# KiCad board geeks-ecu.kicad_pcb (continued)
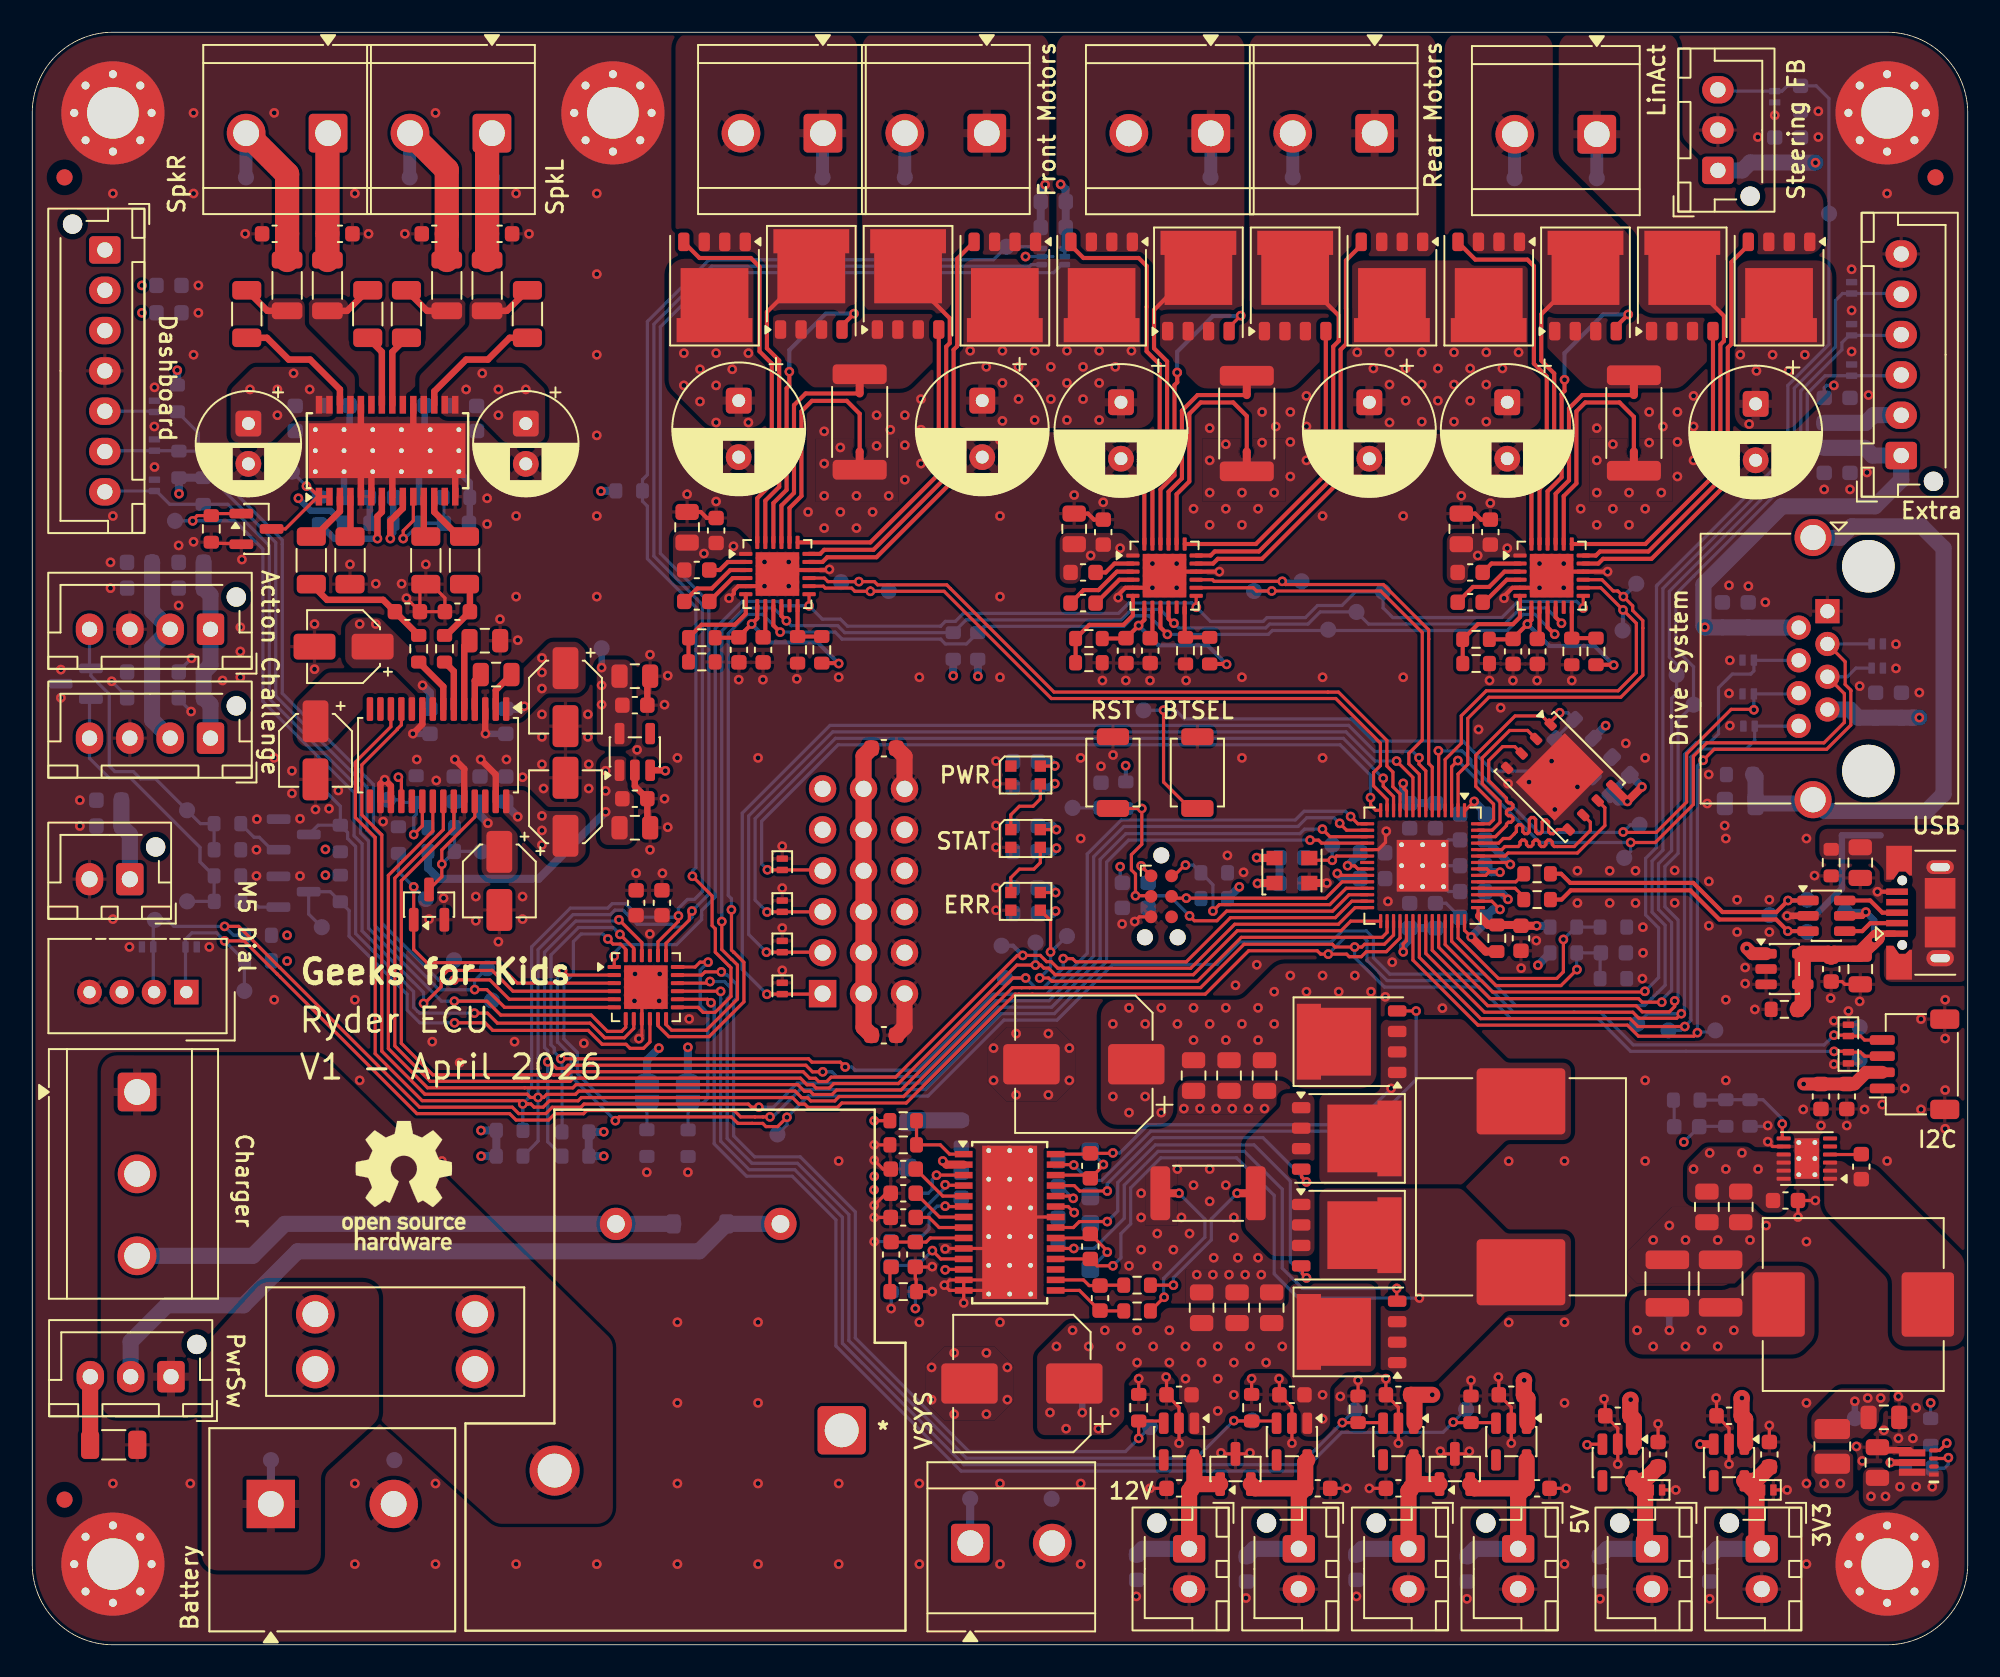
[diagram p0: board, top side]
## Routing (per net, layer and track width the routed paths; a pad name or vN(x,y) marks a point on that pad's centre or on a via; arc(x,y) is an arc through that point) (continued)
  vias: v1(35.55,54.2) v1(35.55,52.95) v1(99.5,19.5) v1(100.5,18.5) v1(102.5,18.5) v1(103.5,19.5) v1(104.5,18.5) v1(105.5,19.5) v1(114,9.2) v1(114.9,9.2) v1(115.8,9.8) v1(116.8,9.8) v1(117.8,9.8)
+12V: length 29.6
  Top w0.2: v1(56.6,23.25) 56.62,23.28 57.75,23.28
  Top w1: v1(86.8,15.5) C221.2 85.7,15.27 85.7,13.74 ; 92.7,13.74 92.7,15.27 92.48,15.5 92.48,16.38 v1(92.5,16.4)
  Bottom w0.2: R211.1 v1(54.75,20.85)
  Bottom w0.4: R909.1 18.5,70.33 17.27,70.33 v1(16.5,71.1) ; TP201.1 v1(65.1,14.4)
  Bottom w1: J501.1 11.05,58.31 C501.2 C506.1 11.05,60.75 J502.1 11.05,65.1 C503.2 C508.1 ; J504.1 6.05,50.25 C510.1 C505.2
  vias: v1(13.5,77.85) v1(15.2,77.85) v1(15.2,76.25) v1(16.2,78.85) v1(17.2,77.85) v1(26.9,77.85) v1(27.9,78.85) v1(28.9,77.85) v1(28.9,76.25) v1(30.6,77.85) v1(63.1,14.4) v1(63.5,18.5) v1(64.1,13.4) v1(64.5,19.5) v1(65.5,18.5) v1(66.1,13.4) v1(66.5,19.5) v1(67.1,14.4) v1(67.5,18.5) v1(68.5,19.5) v1(68.5,17.5) v1(69.5,18.5) v1(70.5,19.5) v1(70.5,17.5) v1(71.5,18.5) v1(71.5,16.5) v1(72.5,17.5) v1(73.5,18.5) v1(73.5,16.5) v1(73.5,14.5) v1(74.5,17.5) v1(74.5,15.5) v1(75.5,18.5) v1(76.5,17.5) v1(77.5,18.5) v1(80,15.5) v1(80,14)
+12VA: length 9.5
  Top w0.4: U903.7 21.68,70.25 21.4,69.97 v1(21.4,68.6)
  Bottom w0.4: R908.1 18.72,68.6 v1(21.4,68.6) 21.4,69.08 R909.2 20.93,71.1 C924.2
/12V Buck-Boost Converter/VIN: length 1.4
  Top w0.5: v1(56.45,30) 56.68,29.78 57.75,29.78
/12V Buck-Boost Converter/VINSNS: length 3.7
  Top w0.2: U201.3 56.12,29.12 56.12,29.12 v1(56.06,29.12)
  Bottom w0.2: R208.2 55.55,28 55.8,28.25 55.8,28.86 v1(56.06,29.12)
/DC Motor Controller - Front Wheels/AVDD: length 11.4
  Top w0.258: U601.7 44.94,64.44 44.95,64.42 44.95,63.65 v1(44.6,63.3) 44.15,62.85 44.15,62.81 C601.2 43.79,62.45 R601.1 ; R603.1 49.97,60.88 v1(50,60.85)
  Bottom w0.258: v1(50,60.85) 48.69,62.16 45.74,62.16 v1(44.6,63.3)
/DC Motor Controller - Front Wheels/DVDD: length 2
  Top w0.258: C602.2 45.45,62.61 U601.8
/DC Motor Controller - Rear Wheels/AVDD: length 11.4
  Top w0.258: v1(74.05,60.8) 74.03,60.83 R703.1 ; v1(68.59,63.21) 68.95,63.56 U701.7 ; 68.59,63.21 67.79,62.4 R701.1
  Bottom w0.258: v1(74.05,60.8) 72.87,61.98 69.82,61.98 v1(68.59,63.21)
/DC Motor Controller - Rear Wheels/DVDD: length 1.7
  Top w0.258: 69.45,64.09 69.45,62.56 69.31,62.42
/DC Motor Controller - Steering/AVDD: length 11.4
  Top w0.258: U801.7 92.95,63.55 v1(92.7,63.3) 91.81,62.41 C801.2 91.79,62.35 R801.1 ; 96.95,60.78 98.02,60.78 v1(98.05,60.75)
  Bottom w0.258: v1(98.05,60.75) 96.86,61.94 94.06,61.94 v1(92.7,63.3)
/DC Motor Controller - Steering/DVDD: length 2
  Top w0.258: C802.2 93.45,62.51 U801.8
GND: length 202.7
  Top w0.2: v1(98.3,11.2) U303.2 98.3,13.43 97.52,14.2 97.52,15.18 v1(97.45,15.25) ; 59.81,53.39 v1(59.8,53.4) ; 118.57,37.62 v1(118.6,37.6) ; U201.29 59.3,24.57 U201.10 56.62,24.57 v1(56.6,24.55) ; v1(83.95,50.45) 83.95,50.2 83.9,50.15 83.9,49.76 83.45,49.31 U404.19 ; C916.1 24.03,65.41 C922.2 24.72,65.78 25.59,64.92 C915.2 C916.1 ; C916.1 24.03,64.07 v1(23.2,64.9) ; C226.1 v1(81.5,9.7) ; U201.14 56.88,21.97 v1(56.55,22.3) 56.88,22.62 U201.13 ; U201.14 59.07,21.97 U201.29 59.3,22.62 U201.13 ; U201.14 U201.13 ; U201.14 v1(57.75,21.2) ; J402.5 68.64,45.14 v1(68.35,44.85) ; D302.1 v1(108.8,9.6) ; v1(55.8,21.9) R203.2 54.8,21.93 54.8,22.65 54.75,22.7 C203.2 55.78,23.43 v1(55.8,23.45) ; C223.1 70.32,16.57 v1(70.3,16.6) ; C223.1 70.3,15.53 ; C223.1 71.1,14.72 U205.2 v1(71.1,12.5) ; D301.1 v1(101.9,9.6) ; v1(83.93,16.5) C221.1 84.7,14.72 U203.2 v1(84.7,12.5) ; 20.38,74.78 U903.29 ; C225.1 v1(82.9,9.7) ; C201.2 v1(52.2,26.5) ; v1(89.1,12) 88.94,11.84 D204.3 87.46,11.84 v1(87.3,12) ; R214.2 v1(82.2,16.4) ; v1(110.55,27.55) C304.2 v1(109.47,26.53) ; U405.25 37.79,40.53 U405.9 37.79,37.77 v1(37.61,37.59) 37.79,37.59 37.79,37.59 ; C313.1 v1(107.7,13.6) ; C312.1 v1(100.8,13.7) ; U201.22 61.9,26.53 U201.29 ; v1(91.7,12.5) U202.2 91.7,14.72 C220.1 90.93,16.57 v1(90.9,16.6) ; v1(107.6,31.2) 107.9,30.9 U301.8 ; v1(78.1,12.5) U204.2 78.1,14.72 C222.1 77.32,16.47 v1(77.3,16.5) ; C224.1 v1(95.1,9.7) ; R213.2 v1(89.2,16.4) ; 23.62,74.78 U903.29 ; C410.2 112.2,41.13 112.38,40.96 C409.1 ; v1(52.2,27.25) 52.95,28 C209.2 ; R216.2 v1(68.6,16.5) ; v1(105.2,11.2) U304.2 105.2,13.43 C310.1 104.43,15.28 v1(104.4,15.3) ; R202.2 v1(52.2,31) ; v1(52.2,30.05) 52.75,29.5 C207.2 ; R215.2 v1(75.6,16.5) ; v1(75.5,11.9) 75.44,11.84 D205.3 73.76,11.84 v1(73.7,11.9) ; Q902.2 12.91,68.3 11.18,68.3 R907.2 ; C227.1 v1(69.3,9.7)
  Top w0.258: C805.2 89.82,69.78 89.45,70.15 C804.1 ; 115.58,46.66 115.54,46.7 v1(114.4,46.7) ; v1(49.42,66.69) 49.39,66.65 U601.16 46.45,66.65 U601.25 45.45,65.65 U601.5 43.77,65.65 43.49,65.38 43.49,65.19 v1(43.2,64.9) ; v1(97.67,66.55) U801.16 94.45,66.55 U801.25 v1(93.45,65.55) U801.5 91.77,65.55 91.25,65.03 v1(91.25,64.9) ; C605.2 41.82,69.88 41.45,70.25 C604.1 ; v1(73.6,66.55) U701.16 70.45,66.55 U701.25 v1(69.45,65.55) U701.5 67.77,65.55 67.33,65.11 v1(67.33,64.94) ; C704.1 65.45,70.15 65.82,69.78 C705.2
  Top w0.4: U302.5 116.39,12.06 114.59,12.06 C303.1 ; U903.5 20.38,73.31 U903.29 ; v1(27.8,54.9) 28.74,53.97 28.74,52.31 ; v1(26.2,54.9) 26.78,54.31 U901.24 ; U903.19 23.62,74.78 ; U901.3 28.09,56.52 v1(28.1,56.5) ; U901.9 24.19,57.08 v1(23.6,56.5) ; v1(108.8,45.2) 108.81,45.21 U402.2 ; U903.29 21.03,72.67 U903.6 ; U903.14 26.22,72.53 U903.29 ; U903.8 22.32,73.48 U903.29 ; C909.2 38.13,59.89 C913.1 ; U901.16 21.59,53.39 v1(21.85,53.65) 22.24,53.27 22.24,52.31 ; C904.1 38.13,50.84 C907.2 37.36,53.24 U902.2 ; U903.24 20.38,74.78
  Top w0.5: v1(80.26,47.24) 79.18,47.24
  Top w1: C518.2 54.08,55.09 J506.18 ; C515.1 54.08,38.31 J506.3
  Bottom w0.2: C502.1 5.88,58.8 v1(4.93,59.75) ; R212.2 v1(53.25,20.85) ; v1(61.58,86.09) 61.58,86.09 U406.2 63.29,86.09 ; C501.1 9.08,58.64 v1(9.85,57.88) ; v1(111.7,78.1) 111.25,78.1 111.1,77.95 C523.1 ; 68.47,3.07 68.45,3.05 v1(68.45,3) ; R304.2 107.55,32.15 v1(107.6,32.2) ; 88.52,46.71 87.8,46.71 U404.57 ; 88.52,45.11 87.65,45.99 C419.2 ; R205.2 v1(52.2,25) ; C506.2 9.08,60.38 v1(9.88,61.17) ; R204.2 v1(52.2,26.5) ; 88.52,48.31 U404.57 ; 88.52,49.91 87.8,49.91 U404.57
  Bottom w0.258: C523.1 111.1,77.5
  Bottom w0.4: C908.2 23.61,56.49 v1(23.6,56.5) ; C939.2 24.32,74.39 U903.29 23.97,73.36 C923.1 ; v1(28.1,56.5) 28.11,56.49 C906.2 ; C924.1 19.32,72.75 U903.29 ; C938.1 27.12,69.6 R911.2 27.12,72.08 U903.29 ; 114.6,50.2 112.2,50.2 112.2,46.9 110.5,45.2 v1(108.8,45.2) ; U903.29 19.68,74.39 C931.2
  Bottom w0.5: v1(62.8,90.55) 62.53,90.28 C434.1 C435.2 ; 22.41,11.39 22.35,11.45
  vias: v1(1.78,60.47) v1(1.78,58.72) v1(2.95,52.38) v1(2.95,50.78) v1(4.85,67.12) v1(4.85,65.53) v1(5,90) v1(5,70) v1(5,45) v1(5,10) v1(6.03,43.28) v1(7.58,77.98) v1(7.57,75.55) v1(7.58,73.04) v1(9.07,68.17) v1(9.07,64.45) v1(9.8,10) v1(10,95) v1(10,90) v1(10,80) v1(10,68.4) v1(10.3,84.3) v1(10.3,82.6) v1(10.97,43.28) v1(11.8,59.8) v1(12.9,63.1) v1(12.9,61.6) v1(12.9,60) v1(13,67.3) v1(13.2,87.5) v1(13.93,51.2) v1(13.9,49.3) v1(13.9,47.68) v1(15,95) v1(15,55) v1(15,40) v1(16.1,54.2) v1(16.1,52.8) v1(16.3,74.15) v1(16.6,51.22) v1(16.6,47.68) v1(17.5,63.3) v1(17.5,60.5) v1(17.56,51.8) v1(18.4,51.85) v1(18.98,52.98) v1(19.7,67) v1(20,90) v1(20,40) v1(20,10) v1(20,5) v1(20.3,35) v1(20.85,87.5) v1(21.3,65.8) v1(21.75,51.05) v1(22.9,65.8) v1(23.1,87.5) v1(23.84,54.9) v1(24.4,67) v1(24.6,45) v1(24.8,37.4) v1(25,95) v1(25,10) v1(25,5) v1(25.05,53.6) v1(25.4,30) v1(25.5,46.3) v1(26.5,36.1) v1(27.5,46.4) v1(27.5,44.9) v1(27.6,74.15) v1(28.2,71.1) v1(28.2,69.5) v1(28.9,43.6) v1(29,63.6) v1(29.4,54.9) v1(29.9,37.4) v1(30,90) v1(30,70) v1(30,65) v1(30,5) v1(30.1,62.3) v1(30.4,53.8) v1(30.4,46.4) v1(30.4,45) v1(30.8,87.5) v1(31.6,57.7) v1(31.6,56.3) v1(31.6,54.6) v1(31.7,53.1) v1(34.2,37.3) v1(34.45,57.7) v1(34.45,56.3) v1(34.5,54.6) v1(34.5,53.1) v1(35,90) v1(35,85) v1(35,80) v1(35,75) v1(35,70) v1(35,65) v1(35,5) v1(37.34,39.93) v1(37.44,47.84) v1(37.37,41.6) v1(37.5,55.5) v1(38.1,29.3) v1(38.3,61.4) v1(38.3,49.3) v1(38.9,41.6) v1(38.87,39.93) v1(39.07,47.84) v1(39.2,58.3) v1(39.2,52.47) v1(39.4,60.1) v1(39.4,50.7) v1(40,75) v1(40,55) v1(40,20) v1(40,15) v1(40,10) v1(40,5) v1(40.6,71.35) v1(40.73,38.81) v1(40.65,29.3) v1(42.4,70.9) v1(43.8,59.85) v1(45,75) v1(45,55) v1(45,20) v1(45,15) v1(45,10) v1(45,5) v1(45.3,59.85) v1(45.4,67.15) v1(45.4,65.65) v1(46.5,49.53) v1(46.5,46.93) v1(46.5,44.45) v1(46.5,41.82) v1(46.9,67.15) v1(46.9,65.65) v1(47.4,59.9) v1(48.1,70.25) v1(49.1,75.25) v1(49.1,73.25) v1(49.1,71.25) v1(49.1,69.25) v1(50,60) v1(50,30) v1(50,10) v1(50,5) v1(50.1,74.25) v1(50.1,70.25) v1(51.1,71.25) v1(51.1,69.25) v1(52.1,70.25) v1(52.35,76.25) v1(52.35,74.35) v1(53.1,71.25) v1(53.2,75.35) v1(54.1,76.25) v1(54.1,74.39) v1(54.1,72.25) v1(55,60) v1(55,20) v1(55,10) v1(55,5) v1(55.1,77.25) v1(55.1,75.35) v1(55.1,73.25) v1(55.76,17.2) v1(55.76,15.2) v1(57.16,18.1) v1(57.16,14.3) v1(59.16,18.1) v1(59.16,14.3) v1(59.6,37) v1(59.6,35) v1(59.75,54.8) v1(59.75,50.8) v1(59.75,49.45) v1(59.75,46.95) v1(59.75,45.55) v1(60,74.7) v1(60,70) v1(60,65) v1(60,60) v1(60,20) v1(60,10) v1(60,5) v1(60.46,17.2) v1(60.46,15.2) v1(61,37.9) v1(61,34.1) v1(63,37.9) v1(63,34.1) v1(64.3,37) v1(64.3,35) v1(64.6,71.3) v1(65,74.7) v1(65,55) v1(65,50) v1(65,10) v1(65,5) v1(66.35,59.8) v1(66.26,54.48) v1(66.4,70.85) v1(67.01,55.18) v1(67.57,44.7) v1(67.8,59.8) v1(68,23.5) v1(68.75,28) v1(68.75,26.5) v1(68.75,24.5) v1(69.3,59.8) v1(69.45,67.05) v1(69.75,25.5) v1(69.75,23.5) v1(70.75,24.5) v1(70.95,67.05) v1(70.95,65.55) v1(71,29.5) v1(71.25,26.5) v1(71.4,33.25) v1(71.54,59.8) v1(71.75,25.5) v1(72,70.45) v1(72,28.5) v1(72.2,22.95) v1(72.4,33.25) v1(73,75.45) v1(73,73.45) v1(73,71.45) v1(73,69.45) v1(73,29.5) v1(73,27.5) v1(73.25,24) v1(73.2,22.95) v1(73.4,33.25) v1(74,74.45) v1(74,70.45) v1(74,28.5) v1(74.1,48.95) v1(74.2,22.95) v1(74.4,33.25) v1(74.5,26.5) v1(74.5,25.25) v1(74.6,40.9) v1(74.75,24) v1(75,71.45) v1(75,69.45) v1(75,60) v1(75,55) v1(75.1,47.9) v1(75.2,22.95) v1(75.25,2.9) v1(75.4,33.25) v1(75.92,42.17) v1(76,70.45) v1(76,24) v1(76.25,76.45) v1(76.25,74.55) v1(76.2,22.95) v1(76.4,33.25) v1(77,71.45) v1(77.1,75.55) v1(78,76.45) v1(78,74.59) v1(78,72.45) v1(79,77.45) v1(79,75.55) v1(79,73.45) v1(80,70) v1(80,60) v1(80,55) v1(81.1,15.4) v1(82.1,3) v1(83.89,40.18) v1(84.05,46.1) v1(84.32,42.33) v1(85,74.7) v1(85,70) v1(85,60) v1(87.43,39.48) v1(88.6,71.25) v1(88.95,2.85) v1(89.67,56.76) v1(90,74.7) v1(90.4,70.8) v1(90.35,59.8) v1(91.04,58.11) v1(91.5,53.4) v1(91.54,29.99) v1(91.54,19.99) v1(91.8,59.8) v1(92.31,41.96) v1(92.8,53.5) v1(93.25,43.67) v1(93.3,59.8) v1(93.45,67.05) v1(94.2,54.8) v1(94.4,51.8) v1(94.95,67.05) v1(94.95,65.55) v1(95,30) v1(95,20) v1(95,15) v1(95,5) v1(95.45,59.8) v1(95.8,53.2) v1(95.8,48) v1(95.8,46) v1(96,70.45) v1(97,75.45) v1(97,73.45) v1(97,71.45) v1(97,69.45) v1(97.2,2.85) v1(97.8,48) v1(97.8,46) v1(98,74.45) v1(98,70.45) v1(98.8,55.9) v1(99,71.45) v1(99,69.45) v1(99.4,48) v1(99.4,46) v1(99.83,41.31) v1(99.86,44.5) v1(99.87,42.91) v1(100,70.45) v1(100,55) v1(100,35) v1(100,30) v1(100.25,76.45) v1(100.25,74.55) v1(100.5,25.1) v1(101,71.45) v1(101.1,75.55) v1(101.5,26) v1(101.83,48.02) v1(101.83,46.01) v1(102,76.45) v1(102,74.59) v1(102,72.45) v1(102.5,25.1) v1(103,77.45) v1(103,75.55) v1(103,73.45) v1(103.94,53.97) v1(103.85,52.17) v1(103.95,47.34) v1(103.95,44.59) v1(104,2.85) v1(104.5,25.1) v1(104.93,50.8) v1(105,50) v1(105,40) v1(105,35) v1(105.2,65.7) v1(105.25,61.05) v1(105.2,59) v1(105.25,57) v1(105.7,46.2) v1(105.7,44.2) v1(106.2,42) v1(106.2,41) v1(106.4,65.65) v1(106.5,25.1) v1(106.8,39.4) v1(106.99,93.5) v1(107.45,64.65) v1(107.5,26) v1(107.7,46.2) v1(107.7,44.2) v1(108.04,94.85) v1(109.8,33.2) v1(110,50) v1(110,25) v1(110,15) v1(110,10) v1(110,5) v1(110.5,47.7) v1(110.74,95.1) v1(110.74,93.5) v1(110.9,32.2) v1(111.1,71.65) v1(111.5,40.1) v1(111.7,38.7) v1(111.7,36) v1(112.5,32.2) v1(112.6,39.3) v1(112.7,71.65) v1(112.8,85.3) v1(112.8,82.75) v1(112.8,80.2) v1(113.1,12.3) v1(113.3,59.45) v1(113.3,39.9) v1(113.46,11.4) v1(113.6,33.2) v1(113.75,72.7) v1(113.85,77.5) v1(114.7,33.5) v1(114.8,13.3) v1(115,90) v1(115,30) v1(115.55,62.05) v1(115.55,60.55) v1(115.7,15.4) v1(115.7,12.8) v1(116.1,34.5) v1(116.6,12.8) v1(116.8,14.7) v1(117,59.05) v1(117.1,38.8) v1(117.1,33.2) v1(118.6,40) v1(118.6,34.4) v1(118.6,32)
VBAT: length 2.7
  Bottom w0.5: J101.1 14.8,8.74 TP143.1
VCC: length 1.3
  Top w0.2: 63.45,27.18 64.22,27.18 v1(64.6,26.8)
/12V Buck-Boost Converter/BIAS: length 2.4
  Top w0.2: U201.24 64.35,27.82 64.49,27.68 v1(64.54,27.69)
  Bottom w0.2: C212.1 63.78,28.43 64.52,27.68 v1(64.54,27.69)
/12V Buck-Boost Converter/BOOT1: length 4.6
  Top w0.2: U201.26 65.4,29.12 C215.1 66.41,29.73 v1(66.41,29.78)
  Bottom w0.2: D202.1 66.41,29.79 v1(66.41,29.78)
/12V Buck-Boost Converter/BOOT2: length 5.3
  Top w0.2: U201.20 65.35,25.22 C217.1 66.65,24.43 v1(66.65,24.35)
  Bottom w0.2: v1(66.65,24.35) D203.1
/12V Buck-Boost Converter/COMP: length 4.6
  Top w0.2: C202.1 C203.1 55.43,24.97 55.68,25.22 U201.9
/12V Buck-Boost Converter/CS: length 4.4
  Top w0.2: R206.1 66.22,22.3 C210.1 65.53,22.28 65.18,22.62 U201.16
/12V Buck-Boost Converter/CSG: length 4.8
  Top w0.2: U201.15 64.93,21.97 66.18,20.72 C210.2 66.22,20.7 R207.1
/12V Buck-Boost Converter/DITH: length 3.7
  Top w0.2: C207.1 56.45,27.82 U201.5
/12V Buck-Boost Converter/EN/UVLO: length 4.7
  Top w0.2: R201.2 R202.1 56.3,31 56.88,30.43 U201.1
/12V Buck-Boost Converter/FB: length 5.1
  Top w0.2: v1(55.81,24.44) 56.33,23.93 U201.11
  Bottom w0.2: R212.1 R211.2 54.89,23.53 v1(55.81,24.44)
/12V Buck-Boost Converter/HDRV1: length 30.8
  Top w0.2: v1(85.8,39.3) 85.7,39.3 85.69,39.31 Q201.4 ; 63.45,29.78 64.55,29.78 v1(64.57,29.75)
  Bottom w0.2: v1(85.8,39.3) 85.8,35.05 83.25,32.5 82.82,32.5 82.17,31.85 69.35,31.85 66.3,28.8 65.53,28.8 v1(64.57,29.75)
/12V Buck-Boost Converter/HDRV2: length 32
  Top w0.2: v1(64.57,24.57) U201.19 ; Q203.4 84.6,21.33 v1(84.6,22.1)
  Bottom w0.2: v1(84.6,22.1) 84.6,22.1 78.75,22.1 77.5,23.35 77.5,28.25 75.15,30.6 69.8,30.6 67.7,28.5 67.7,26.44 65.83,24.57 v1(64.57,24.57)
/12V Buck-Boost Converter/LDRV1: length 19.4
  Top w0.2: Q202.4 78.7,29.47 78.7,29 v1(79,28.7) ; U201.25 64.6,28.47 64.94,28.14 v1(66.65,28.14)
  Bottom w0.2: v1(66.65,28.14) 66.65,28.58 69.52,31.45 76.3,31.45 79,28.75 v1(79,28.7)
/12V Buck-Boost Converter/LDRV2: length 25.9
  Top w0.2: v1(79,22.75) 78.75,23 78.75,23.42 Q204.4 ; U201.21 64.55,25.88 64.92,26.24 v1(66.65,26.24)
  Bottom w0.2: v1(66.65,26.24) 67.3,26.89 67.3,28.67 69.63,31 75.75,31 78,28.75 78,23.75 v1(79,22.75)
/12V Buck-Boost Converter/MODE: length 3.9
  Top w0.2: U201.4 57.73,28.49 56.63,28.49 v1(56.6,28.52)
  Bottom w0.2: v1(56.6,28.52) 56.6,28.35 54.82,26.57 R204.1
/12V Buck-Boost Converter/RCS: length 8.8
  Top w0.2: R206.2 v1(70.75,22.3)
  Bottom w0.2: v1(70.75,22.3) 70.75,22.76 73.1,25.11 73.1,26.4 v1(74.7,28)
/12V Buck-Boost Converter/RCSG: length 9.4
  Top w0.2: v1(70.18,21.55) R207.2
  Bottom w0.2: v1(71.1,28) 72.7,26.4 72.7,25.28 70.15,22.72 70.15,21.58 v1(70.18,21.55)
/12V Buck-Boost Converter/RT/SYNC: length 4.4
  Top w0.2: 57.75,27.18 56.62,27.18 v1(56.6,27.2)
  Bottom w0.2: R205.1 55.6,25.78 55.6,26.7 56.1,27.2 v1(56.6,27.2)
/12V Buck-Boost Converter/SLOPE: length 3.6
  Top w0.2: U201.7 56.25,26.53 C209.1
/12V Buck-Boost Converter/SS: length 3.2
  Top w0.2: U201.8 56.22,25.88 55.6,26.5 C201.1
/12V Buck-Boost Converter/SW1: length 22.5
  Top w0.2: U201.28 65.55,30.43 C215.2 66.97,30.47 v1(67,30.5)
  Bottom w0.2: v1(84.25,34.5) 82,32.25 69.18,32.25 67.43,30.5 v1(67,30.5)
/12V Buck-Boost Converter/SW2: length 34.1
  Top w0.2: v1(67,23.5) 66.03,23.5 C217.2 U201.18
  Bottom w0.2: v1(67,23.5) 67.5,24 67.5,25.5 68.1,26.1 68.1,28.33 69.97,30.2 74.67,30.2 77,27.87 77,23 78.5,21.5 84.35,21.5 84.35,21.5 84.85,21.5 84.85,21.5 v1(86,21.5)
/ACTION_CHALLENGE_TRIG1: length 30.8
  Top w0.2: v1(26.18,38.57) 28.08,38.57 28.55,38.1 34.47,38.1 35.33,37.24 36.81,37.24 37.06,36.99 37.9,36.99 38.29,37.38 U405.10
  Bottom w0.2: v1(26.18,38.57) 24.03,38.57 23.24,39.36 23.24,40.34 19.65,43.94 19.65,45.53 R501.2 18.47,46.7 Q501.3 17.14,45.31 TP128.1
/ACTION_CHALLENGE_TRIG2: length 33.6
  Top w0.2: v1(27.41,39.17) 28.22,39.17 28.84,38.55 34.59,38.55 35.5,37.64 36.71,37.64 37.29,38.22 U405.8
  Bottom w0.2: R502.2 17.72,50.82 17.15,50.25 17.14,50.25 ; R502.2 19.55,50.38 19.55,50 20.05,49.51 20.05,44.1 23.64,40.51 23.64,39.53 23.89,39.28 23.9,39.28 24.01,39.17 27.41,39.17 v1(27.41,39.17) ; R502.2 19.1,52 18.15,52.95 TP127.1
/AMP_SD: length 55.3
  Top w0.2: v1(24.26,39.77) 24.29,39.74 25.35,40.8 25.35,41.4 25.77,41.82 28.51,41.82 29.8,40.53 U405.4 ; v1(9.95,69.7) 9.95,69.75 10.22,70.03 R907.1 11.22,70.15 Q902.1
  Bottom w0.2: v1(24.26,39.77) 24.26,40.46 20.45,44.27 20.45,49.67 19.95,50.17 19.95,52.85 14.3,58.5 14.3,67.95 12.55,69.7 v1(9.95,69.7) TP115.1
/Audio/AMP_LIN_N: length 2.5
  Top w0.4: C922.1 24.28,68.85 U903.11
/Audio/AMP_LIN_P: length 3.8
  Top w0.2: 26.47,68.72 C921.1
  Top w0.4: U903.12 24.93,70.25 26.45,68.72 C921.1
/Audio/AMP_RIN_N: length 2.5
  Top w0.4: C920.1 19.72,68.75 U903.4
/Audio/AMP_RIN_P: length 3.6
  Top w0.2: 17.61,68.72 C919.1
  Top w0.4: U903.3 19.07,70.29 17.51,68.72 C919.1
/Audio/DAC_CAP_M: length 2.3
  Top w0.4: U901.4 27.44,59.79 C912.2
/Audio/DAC_CAP_P: length 2.5
  Top w0.4: 28.74,58.03 28.74,59.19 C912.1
/Audio/DAC_I2S_MCK: length 6.2
  Top w0.2: U901.20 24.19,50.78 v1(23.65,50.24)
  Bottom w0.2: v1(23.65,50.24) 23.65,51.33 23.8,51.48 R902.2 23.06,52.24 22.9,52.4 TP901.1
/Audio/DAC_LDO_OUT: length 1.5
  Bottom w0.5: C914.1 27.76,51.44 v1(28.25,50.95)
/Audio/DAC_OUT_FILT_L: length 4
  Top w0.4: C921.2 27.13,65.44 C915.1 25.66,62.59 R905.2
/Audio/DAC_OUT_FILT_R: length 8
  Top w0.4: R906.2 C916.2 21.75,64.8 18.28,64.8 C919.2
/Audio/DAC_OUT_L: length 3.2
  Top w0.4: U901.6 26.13,60.37 R905.1
/Audio/DAC_OUT_R: length 3.5
  Top w0.4: U901.7 25.49,59.42 R906.1
/Audio/DAC_VNEG: length 4.4
  Top w0.4: U901.5 26.78,61.94 C911.1
/Audio/GVDD: length 5.6
  Top w0.4: U903.9 22.97,70.47 22.2,69.7 v1(22.2,68.6)
  Bottom w0.4: v1(22.2,68.6) 22.2,68.79 22.38,68.97 R910.1 22.38,71.1 C923.2
/Audio/OUTNL: length 3
  Top w0.4: C929.1 24.47,82.72 FB903.1
/Audio/OUTNR: length 3
  Top w0.4: C928.1 19.53,82.72 FB902.1
/Audio/OUTPL: length 3.5
  Top w0.4: 27.78,82.72 FB904.1 29.43,82.72 C930.1
/Audio/OUTPR: length 3.6
  Top w0.4: 16.32,82.72 FB901.1 14.57,82.72 C927.1
/Audio/PLIMIT: length 7.4
  Top w0.2: v1(23,68.6) 23,69.09 23.62,69.71 U903.10
  Bottom w0.2: v1(23,68.6) 23.07,68.6 R910.2 C938.2 25.53,71.1 R911.1
/Audio/~{DAC_XSMT}: length 12.6
  Top w0.2: U901.25 27.44,51.34 25.39,49.29 v1(25.39,48.41) 25.39,47.63 Q901.3
  Bottom w0.2: 26.22,50.7 R904.1 ; R904.1 26.19,52.27 C901.1 ; R904.1 R903.2 ; TP902.1 R903.2 ; R903.2 v1(25.39,48.41)
/Audio/~{SD}: length 7.8
  Top w0.2: v1(17,71.85) 17.12,71.85 U903.1 ; U903.2 U903.1 ; U903.1 17.7,71.2 15.7,69.2 Q902.3
  Bottom w0.2: R908.2 17.68,71.17 v1(17,71.85) TP904.1
/DAC_I2S_BCK: length 85.8
  Top w0.2: v1(61.59,41.35) 60.81,41.35 53.86,34.4 49.86,34.4 49.59,34.13 48.43,34.13 48.23,34.33 47.87,34.33 47.46,34.74 33.71,34.74 33.51,34.54 32.02,34.54 32.01,34.54 30.52,34.54 30.52,34.54 24.51,34.54 22.08,36.97 22.08,47.71 24.84,50.47 U901.21 ; v1(63.92,42.55) 63.92,42.55 64.5,42.55 64.7,42.35 71.55,42.35 74.29,45.09 80.79,45.09 81.81,46.11 U404.27
  Bottom w0.2: 60.3,41.4 60.35,41.35 v1(61.59,41.35) 62.19,40.75 62.71,40.75 63.92,41.96 v1(63.92,42.55)
/DAC_I2S_DIN: length 85
  Top w0.2: U404.29 81.74,44.88 81.15,44.28 74.72,44.28 71.99,41.55 63.42,41.55 63.01,41.96 62.72,41.96 62.53,42.15 61.04,42.15 53.69,34.8 49.7,34.8 49.43,34.53 48.59,34.53 48.39,34.73 48.04,34.73 47.63,35.14 33.55,35.14 33.35,34.94 32.19,34.94 32.18,34.94 30.36,34.94 30.36,34.94 24.67,34.94 22.48,37.13 22.48,47.55 25.49,50.55 U901.22
  Bottom w0.258: TP106.1 62.2,42.2 62.2,42.2 v1(62.2,42.15)
/DAC_I2S_LRCK: length 84.1
  Top w0.2: U404.28 82.01,45.71 80.98,44.68 74.55,44.68 71.82,41.95 63.59,41.95 63.18,42.36 62.89,42.36 62.5,42.75 v1(61.41,42.75) 61.07,42.75 53.52,35.2 49.53,35.2 49.26,34.93 48.76,34.93 48.56,35.13 48.2,35.13 47.79,35.54 33.38,35.54 33.18,35.34 32.35,35.34 32.35,35.34 30.19,35.34 24.84,35.34 22.88,37.3 22.88,47.38 26.13,50.63 U901.23
  Bottom w0.258: v1(61.41,42.75) 60.81,43.35 TP113.1
/DAC_MUTE: length 20.7
  Top w0.2: v1(23.65,47) Q901.1 23.65,43.12 24.47,42.3 28.8,42.3 30.07,41.03 U405.3
  Bottom w0.2: TP108.1 v1(23.65,47) 22.7,47.95 22.7,49.07
/DC Motor Controller - Front Wheels/CPH: length 4.6
  Top w0.258: U601.3 43.28,66.65 42.13,65.51 41.23,65.51 C603.1
/DC Motor Controller - Front Wheels/CPL: length 2.9
  Top w0.258: U601.4 43.43,66.15 C603.2
/DC Motor Controller - Front Wheels/CURRENT_SENSE_N: length 15
  Top w0.258: NT602.1 51.3,76.34 50.5,77.14 48.34,77.14 47.69,76.49 47.69,71.24 46.95,70.5 U601.20
/DC Motor Controller - Front Wheels/CURRENT_SENSE_P: length 13.2
  Top w0.258: U601.21 46.45,70.65 47.23,71.43 47.23,76.88 47.95,77.6 NT601.2
/DC Motor Controller - Front Wheels/GH1: length 26.4
  Top w0.258: Q603.4 57.35,85.95 57.35,80.6 57.34,80.59 57.34,80.53 57.12,80.31 57.12,72.22 52.34,67.44 49.29,67.44 49,67.15 U601.17
/DC Motor Controller - Front Wheels/GH2: length 23.1
  Top w0.258: Q601.4 40.4,86.98 41.37,86 44.55,86 45.09,85.46 45.09,80.21 45.85,79.45 45.85,72 44.95,71.1 U601.24
/DC Motor Controller - Front Wheels/GL1: length 19.5
  Top w0.258: U601.19 51.96,68.36 56.21,72.61 56.21,81.56
/DC Motor Controller - Front Wheels/GL2: length 18.6
  Top w0.258: v1(50.95,82.55) 50.21,81.81 50.21,81.56 ; v1(46.94,78.95) 46.94,78.09 46.77,77.92 46.77,71.62 45.95,70.8 U601.22
  Bottom w0.258: v1(46.94,78.95) 46.94,80.29 49.2,82.55 v1(50.95,82.55)
/DC Motor Controller - Front Wheels/IDRIVE: length 3.4
  Top w0.258: 47.4,62.53 47.45,62.58 U601.12 ; R604.1 R603.2
/DC Motor Controller - Front Wheels/VCP: length 2.5
  Top w0.258: U601.2 43.13,67.15 42.63,66.65 C606.1
/DC Motor Controller - Front Wheels/VREF: length 6.9
  Top w0.258: U601.6 44.24,63.94 43.56,63.26 41.49,63.26 R601.2 R602.1
/DC Motor Controller - Rear Wheels/CPH: length 4.7
  Top w0.258: C703.1 65.18,65.41 66.11,65.41 67.25,66.55 U701.3
/DC Motor Controller - Rear Wheels/CPL: length 2.9
  Top w0.258: C703.2 65.95,64.6 67.4,66.05 U701.4
/DC Motor Controller - Rear Wheels/CURRENT_SENSE_N: length 14.8
  Top w0.258: U701.20 70.95,71.35 71.74,72.14 71.74,76.34 72.44,77.04 74.46,77.04 75.3,76.2 NT702.1
/DC Motor Controller - Rear Wheels/CURRENT_SENSE_P: length 13.1
  Top w0.2: NT701.2 75.35,77.5
  Top w0.258: U701.21 70.45,71.5 71.28,72.33 71.28,76.53 72.25,77.5 NT701.2
/DC Motor Controller - Rear Wheels/GH1: length 26.4
  Top w0.2: 82.4,86.8 Q703.4
  Top w0.258: 82.4,86.8 81.45,85.85 81.45,82.85 81.46,82.84 81.46,80.66 81.12,80.32 81.12,72.22 76.24,67.34 73.5,67.34 73.21,67.05 U701.17
/DC Motor Controller - Rear Wheels/GH2: length 23.4
  Top w0.258: Q701.4 64.4,86.78 65.18,86 68.6,86 69.1,85.5 69.1,82.97 69.09,82.97 69.09,80.21 69.9,79.4 69.9,72.9 68.95,71.95 U701.24
/DC Motor Controller - Rear Wheels/GL1: length 19.4
  Top w0.258: U701.19 75.86,68.26 80.2,72.6 80.2,81.46 Q704.4
/DC Motor Controller - Rear Wheels/GL2: length 18.5
  Top w0.2: v1(74.93,82.42) 74.21,81.7 Q702.4
  Top w0.258: v1(70.99,78.9) 70.99,78.29 70.82,78.12 70.82,72.52 69.95,71.65 U701.22
  Bottom w0.258: v1(74.93,82.42) 74.9,82.4 73.2,82.4 70.99,80.19 v1(70.99,78.9)
/DC Motor Controller - Rear Wheels/IDRIVE: length 3.8
  Top w0.258: 71.45,63.95 U701.12 71.45,62.53 R704.1 R703.2
/DC Motor Controller - Rear Wheels/VCP: length 2.5
  Top w0.258: C706.1 66.55,66.5 67.1,67.05 U701.2
/DC Motor Controller - Rear Wheels/VREF: length 6.9
  Top w0.258: R702.1 R701.2 65.54,63.25 67.65,63.25 68.24,63.84 U701.6
/DC Motor Controller - Steering/CPH: length 4.6
  Top w0.258: C803.1 89.32,65.6 90.33,65.6 91.28,66.55 U801.3
/DC Motor Controller - Steering/CPL: length 2.9
  Top w0.258: C803.2 90.02,64.65 91.43,66.05 U801.4
/DC Motor Controller - Steering/CURRENT_SENSE_N: length 14.9
  Top w0.258: U801.20 94.95,71.23 95.74,72.02 95.74,76.49 96.29,77.04 98.41,77.04 99.3,76.15 NT802.1
/DC Motor Controller - Steering/CURRENT_SENSE_P: length 13.1
  Top w0.258: U801.21 94.45,71.38 95.28,72.21 95.28,76.68 96.1,77.5 NT801.2
/DC Motor Controller - Steering/GH1: length 26.5
  Top w0.258: U801.17 97.1,67.05 97.39,67.34 100.39,67.34 105.12,72.07 105.12,80.44 105.34,80.66 105.34,85.74 106.39,86.8 Q803.4
/DC Motor Controller - Steering/GH2: length 23.3
  Top w0.258: U801.24 92.95,71.83 93.9,72.78 93.9,78.65 93.1,79.45 93.1,85.5 92.7,85.9 89.47,85.9 88.39,86.98 88.39,87
/DC Motor Controller - Steering/GL1: length 19.5
  Top w0.258: Q804.4 104.2,72.45 100.01,68.26 U801.19
/DC Motor Controller - Steering/GL2: length 18.6
  Top w0.258: v1(98.95,82.5) 98.2,81.75 Q802.4 ; U801.22 93.95,71.53 94.82,72.4 94.82,77.57 95,77.75 v1(95,78.45)
  Bottom w0.258: v1(95,78.45) 95,80.1 97.4,82.5 v1(98.95,82.5)
/DC Motor Controller - Steering/IDRIVE: length 3.4
  Top w0.258: R803.2 R804.1 U801.12
